# Altium PCB PCB_Right.PcbDoc (part 2 of 2) (continued)
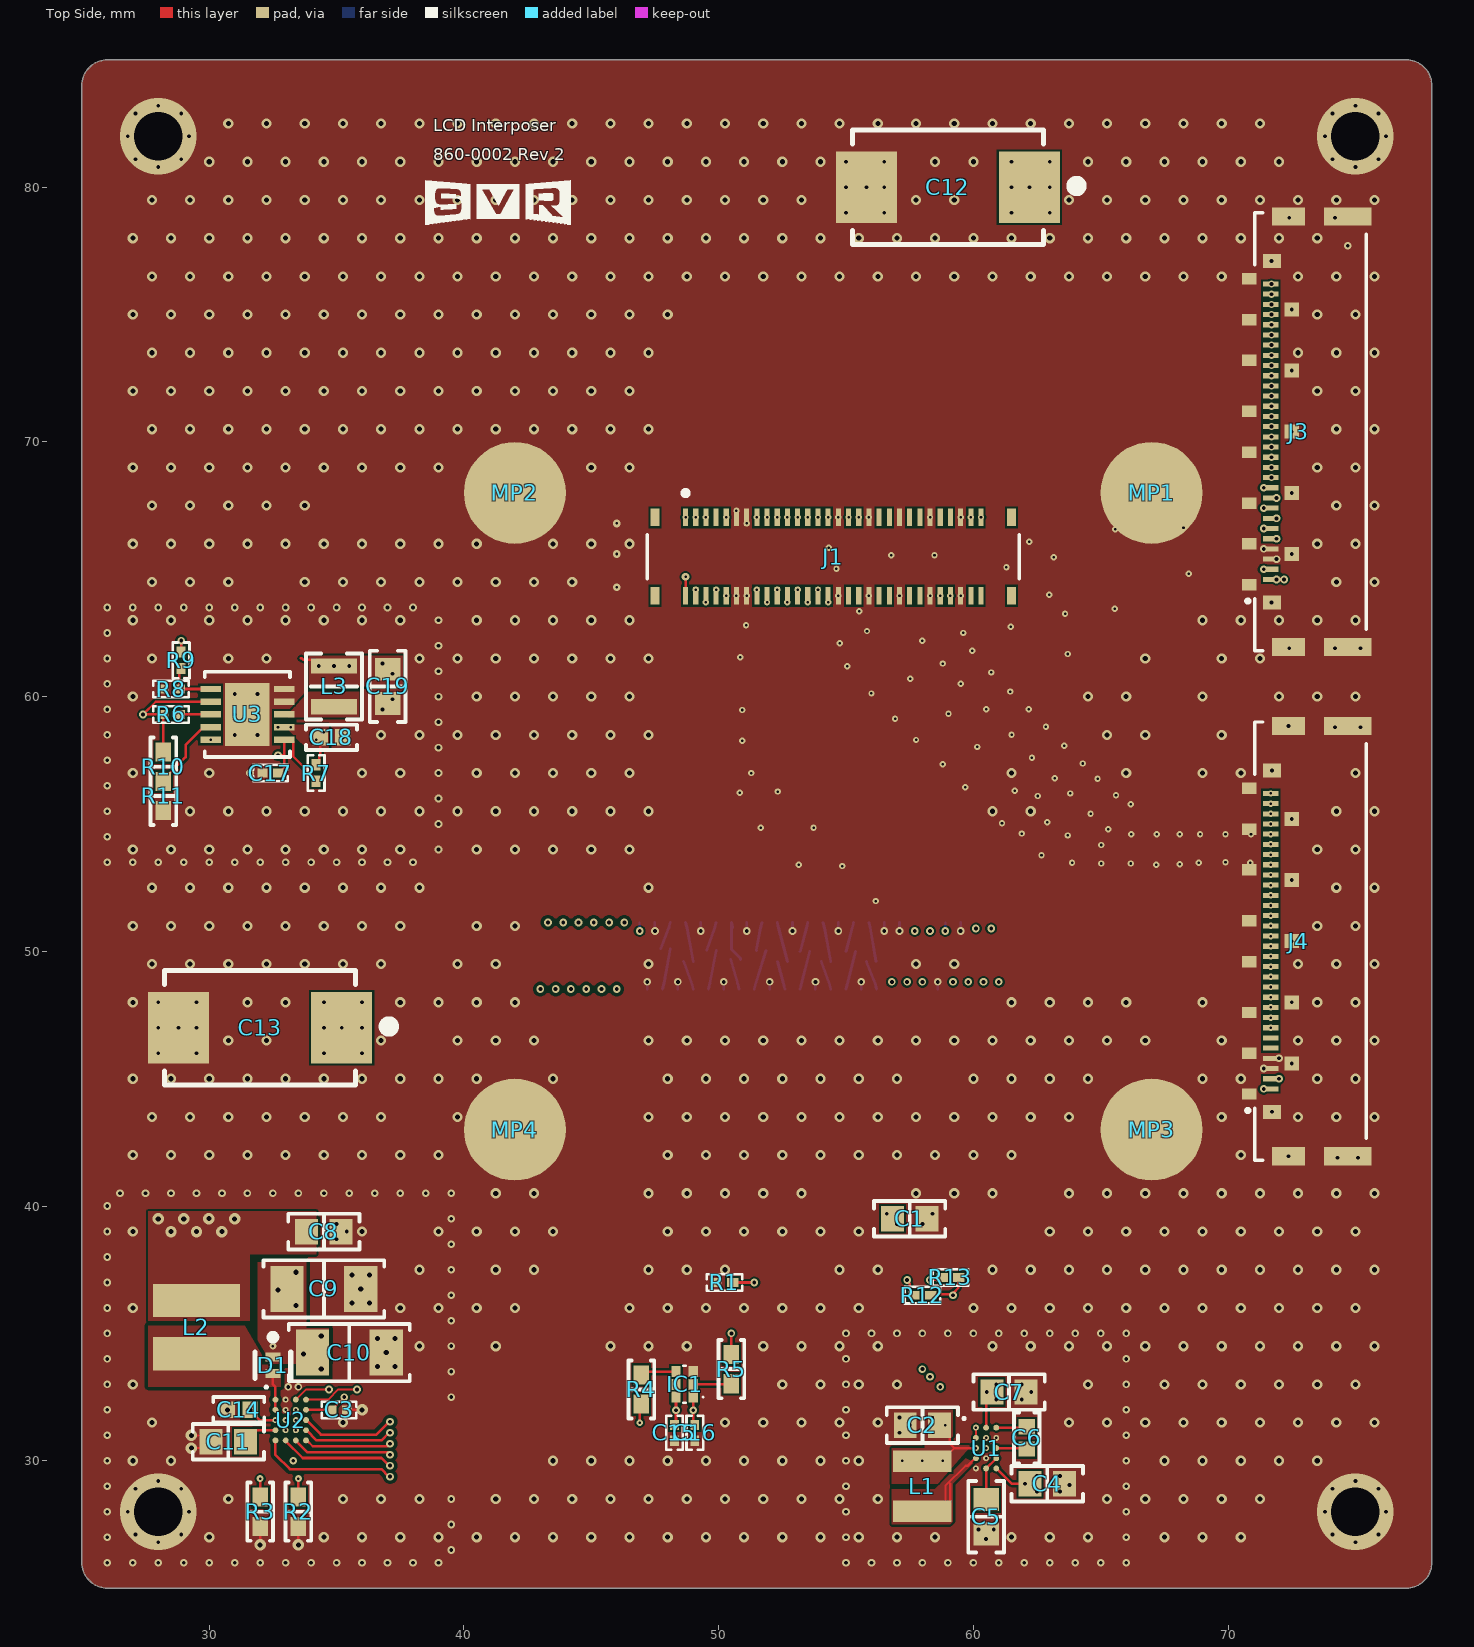
[diagram p0: Top Side view]
## Nets (pads, with @x,y where several pads share a name; then routed paths per layer and width w, separated by ;. In a path a pad name is that pad's centre, name@x,y a point inside that pad or via, vN(x,y) a via of type N, cw(c..) or ccw(c..) an arc to the next point about the centre after c; other vN are vias at no path point) (continued)
  other v1: 30,27 34.5,27 36,27 37.5,27 39,27 40.5,27 42,27 43.5,27 45,27 46.5,27 48,27 49.5,27 51,27 52.5,27 54,27 55.5,27 57,27 58.5,27 61.5,27 63,27 64.5,27 67.5,27 69,27 70.5,27 30.75,28.5 35.25,28.5 36.75,28.5 38.25,28.5 41.25,28.5 42.75,28.5 44.25,28.5 45.75,28.5 47.25,28.5 48.75,28.5 50.25,28.5 51.75,28.5 53.25,28.5 54.75,28.5 56.25,28.5 65.25,28.5 66.75,28.5 68.25,28.5 69.75,28.5 71.25,28.5 27,30 28.5,30 43.5,30 45,30 46.5,30 48,30 49.5,30 51,30 52.5,30 54,30 55.5,30 67.5,30 69,30 70.5,30 72,30 73.5,30 27.75,31.5 35.25,31.5 50.25,31.5 51.75,31.5 53.25,31.5 54.75,31.5 56.25,31.5 63.75,31.5 65.25,31.5 66.75,31.5 68.25,31.5 69.75,31.5 71.25,31.5 72.75,31.5 74.25,31.5 75.75,31.5 27,33 52.5,33 54,33 55.5,33 57,33 64.5,33 67.5,33 69,33 70.5,33 72,33 73.5,33 75,33 38.25,34.5 41.25,34.5 45.75,34.5 47.25,34.5 48.75,34.5 51.75,34.5 53.25,34.5 54.75,34.5 56.25,34.5 60.75,34.5 62.25,34.5 63.75,34.5 65.25,34.5 66.75,34.5 68.25,34.5 69.75,34.5 71.25,34.5 72.75,34.5 74.25,34.5 75.75,34.5 27,36 37.5,36 39,36 40.5,36 42,36 46.5,36 48,36 49.5,36 51,36 52.5,36 54,36 55.5,36 60,36 61.5,36 63,36 64.5,36 66,36 67.5,36 69,36 70.5,36 72,36 73.5,36 75,36 38.25,37.5 41.25,37.5 42.75,37.5 47.25,37.5 48.75,37.5 50.25,37.5 54.75,37.5 56.25,37.5 60.75,37.5 62.25,37.5 63.75,37.5 65.25,37.5 66.75,37.5 68.25,37.5 69.75,37.5 71.25,37.5 72.75,37.5 74.25,37.5 75.75,37.5 27,39 36,39 39,39 40.5,39 42,39 43.5,39 48,39 49.5,39 51,39 52.5,39 54,39 55.5,39 63,39 64.5,39 66,39 67.5,39 69,39 70.5,39 72,39 73.5,39 75,39 41.25,40.5 42.75,40.5 47.25,40.5 48.75,40.5 50.25,40.5 51.75,40.5 53.25,40.5 57.75,40.5 59.25,40.5 60.75,40.5 63.75,40.5 65.25,40.5 66.75,40.5 68.25,40.5 69.75,40.5 71.25,40.5 72.75,40.5 74.25,40.5 75.75,40.5 27,42 28.5,42 30,42 31.5,42 33,42 34.5,42 36,42 37.5,42 39,42 48,42 49.5,42 51,42 52.5,42 54,42 55.5,42 57,42 58.5,42 60,42 61.5,42 70.5,42 27.75,43.5 29.25,43.5 30.75,43.5 32.25,43.5 33.75,43.5 35.25,43.5 36.75,43.5 39.75,43.5 47.25,43.5 48.75,43.5 50.25,43.5 51.75,43.5 53.25,43.5 54.75,43.5 56.25,43.5 57.75,43.5 59.25,43.5 60.75,43.5 62.25,43.5 63.75,43.5 69.75,43.5 72.75,43.5 74.25,43.5 75.75,43.5 27,45 28.5,45 30,45 31.5,45 33,45 34.5,45 36,45 37.5,45 39,45 40.5,45 43.5,45 48,45 49.5,45 51,45 52.5,45 54,45 55.5,45 57,45 60,45 61.5,45 63,45 64.5,45 69,45 70.5,45 73.5,45 75,45 30.75,46.5 32.25,46.5 36.75,46.5 39.75,46.5 41.25,46.5 42.75,46.5 47.25,46.5 48.75,46.5 50.25,46.5 51.75,46.5 53.25,46.5 54.75,46.5 56.25,46.5 57.75,46.5 59.25,46.5 60.75,46.5 62.25,46.5 63.75,46.5 65.25,46.5 66.75,46.5 69.75,46.5 72.75,46.5 74.25,46.5 75.75,46.5 27,48 31.5,48 33,48 37.5,48 39,48 40.5,48 42,48 61.5,48 63,48 64.5,48 66,48 69,48 73.5,48 75,48 27.75,49.5 29.25,49.5 30.75,49.5 32.25,49.5 33.75,49.5 35.25,49.5 36.75,49.5 39.75,49.5 41.25,49.5 47.25,49.5 57.75,49.5 59.25,49.5 72.75,49.5 74.25,49.5 75.75,49.5 27,51 28.5,51 30,51 31.5,51 33,51 34.5,51 36,51 37.5,51 40.5,51 42,51 73.5,51 75,51 27.75,52.5 29.25,52.5 30.75,52.5 32.25,52.5 33.75,52.5 35.25,52.5 36.75,52.5 38.25,52.5 47.25,52.5 74.25,52.5 75.75,52.5 27,54 28.5,54 30,54 31.5,54 33,54 34.5,54 36,54 37.5,54 40.5,54 42,54 43.5,54 45,54 46.5,54 73.5,54 75,54 29.25,55.5 30.75,55.5 32.25,55.5 33.75,55.5 35.25,55.5 36.75,55.5 38.25,55.5 39.75,55.5 41.25,55.5 42.75,55.5 44.25,55.5 45.75,55.5 47.25,55.5 60.75,55.5 62.25,55.5 74.25,55.5 75.75,55.5 27,57 30,57 36,57 37.5,57 40.5,57 42,57 43.5,57 45,57 46.5,57 61.5,57 66,57 69,57 70.5,57 75,57 36.75,58.5 38.25,58.5 39.75,58.5 41.25,58.5 42.75,58.5 44.25,58.5 45.75,58.5 47.25,58.5 65.25,58.5 66.75,58.5 69.75,58.5 27,60 40.5,60 42,60 43.5,60 45,60 46.5,60 64.5,60 66,60 69,60 72,60 73.5,60 75,60 27.75,61.5 30.75,61.5 32.25,61.5 38.25,61.5 39.75,61.5 41.25,61.5 42.75,61.5 44.25,61.5 45.75,61.5 47.25,61.5 66.75,61.5 69.75,61.5 71.25,61.5 27,63 28.5,63 30,63 31.5,63 33,63 34.5,63 36,63 37.5,63 40.5,63 42,63 43.5,63 45,63 46.5,63 69,63 70.5,63 72,63 73.5,63 75,63 27.75,64.5 29.25,64.5 30.75,64.5 33.75,64.5 35.25,64.5 36.75,64.5 38.25,64.5 39.75,64.5 41.25,64.5 42.75,64.5 44.25,64.5 74.25,64.5 75.75,64.5 27,66 28.5,66 30,66 31.5,66 33,66 34.5,66 36,66 37.5,66 39,66 40.5,66 43.5,66 45,66 46.5,66 73.5,66 75,66 27.75,67.5 29.25,67.5 30.75,67.5 32.25,67.5 33.75,67.5 74.25,67.5 75.75,67.5 27,69 28.5,69 30,69 31.5,69 33,69 34.5,69 36,69 37.5,69 39,69 45,69 46.5,69 73.5,69 75,69 27.75,70.5 29.25,70.5 30.75,70.5 32.25,70.5 33.75,70.5 35.25,70.5 36.75,70.5 38.25,70.5 39.75,70.5 41.25,70.5 42.75,70.5 44.25,70.5 45.75,70.5 47.25,70.5 74.25,70.5 75.75,70.5 27,72 28.5,72 30,72 31.5,72 33,72 34.5,72 36,72 37.5,72 39,72 40.5,72 42,72 43.5,72 45,72 46.5,72 73.5,72 75,72 27.75,73.5 29.25,73.5 30.75,73.5 32.25,73.5 33.75,73.5 35.25,73.5 36.75,73.5 38.25,73.5 39.75,73.5 41.25,73.5 42.75,73.5 44.25,73.5 45.75,73.5 47.25,73.5 72.75,73.5 74.25,73.5 75.75,73.5 27,75 28.5,75 30,75 31.5,75 33,75 34.5,75 36,75 37.5,75 39,75 40.5,75 42,75 43.5,75 45,75 46.5,75 48,75 73.5,75 75,75 27.75,76.5 29.25,76.5 30.75,76.5 32.25,76.5 33.75,76.5 35.25,76.5 36.75,76.5 38.25,76.5 39.75,76.5 41.25,76.5 42.75,76.5 44.25,76.5 45.75,76.5 47.25,76.5 48.75,76.5 50.25,76.5 51.75,76.5 53.25,76.5 54.75,76.5 56.25,76.5 57.75,76.5 59.25,76.5 60.75,76.5 62.25,76.5 63.75,76.5 65.25,76.5 66.75,76.5 68.25,76.5 69.75,76.5 72.75,76.5 74.25,76.5 75.75,76.5 27,78 28.5,78 30,78 31.5,78 33,78 34.5,78 36,78 37.5,78 39,78 40.5,78 42,78 43.5,78 45,78 46.5,78 48,78 49.5,78 51,78 52.5,78 54,78 55.5,78 57,78 58.5,78 60,78 61.5,78 63,78 64.5,78 66,78 67.5,78 69,78 70.5,78 72,78 73.5,78 27.75,79.5 29.25,79.5 30.75,79.5 32.25,79.5 33.75,79.5 35.25,79.5 36.75,79.5 38.25,79.5 39.75,79.5 41.25,79.5 42.75,79.5 44.25,79.5 45.75,79.5 47.25,79.5 48.75,79.5 50.25,79.5 51.75,79.5 53.25,79.5 57.75,79.5 59.25,79.5 63.75,79.5 65.25,79.5 66.75,79.5 68.25,79.5 69.75,79.5 71.25,79.5 72.75,79.5 74.25,79.5 75.75,79.5 30,81 31.5,81 33,81 34.5,81 36,81 37.5,81 39,81 40.5,81 42,81 43.5,81 45,81 46.5,81 48,81 49.5,81 51,81 52.5,81 54,81 58.5,81 60,81 64.5,81 66,81 67.5,81 69,81 70.5,81 72,81 30.75,82.5 32.25,82.5 33.75,82.5 35.25,82.5 36.75,82.5 38.25,82.5 39.75,82.5 41.25,82.5 42.75,82.5 44.25,82.5 45.75,82.5 47.25,82.5 48.75,82.5 50.25,82.5 51.75,82.5 53.25,82.5 54.75,82.5 56.25,82.5 57.75,82.5 59.25,82.5 60.75,82.5 62.25,82.5 63.75,82.5 65.25,82.5 66.75,82.5 68.25,82.5 69.75,82.5 71.25,82.5
  other v2: 26,26 27,26 28,26 29,26 30,26 31,26 32,26 33,26 34,26 35,26 36,26 37,26 38,26 39,26 55,26 56,26 57,26 58,26 59,26 60,26 61,26 62,26 63,26 64,26 65,26 66,26 39.5,26.5 28,26.8 75,26.8 60.5,26.925 26,27 55,27 66,27 27.1,27.1 28.9,27.1 74.1,27.1 75.9,27.1 60.2,27.3 60.8,27.3 39.5,27.5 26,28 26.8,28 29.2,28 55,28 66,28 73.8,28 76.2,28 39.5,28.5 63.4,28.8 27.1,28.9 28.9,28.9 74.1,28.9 75.9,28.9 26,29 55,29 66,29 63.775,29.052 28,29.2 75,29.2 63.4,29.4 26,30 55,30 66,30 26,31 55,31 66,31 57.1,31.1 57.5,31.4 57.1,31.7 26,32 55,32 66,32 61.9,32.4 39.5,32.5 62.275,32.7 26,33 55,33 61.9,33 66,33 39.5,33.5 26,34 55,34 66,34 39.5,34.5 26,35 55,35 56,35 57,35 58,35 59,35 60,35 61,35 62,35 63,35 64,35 65,35 66,35 39.5,35.5 26,36 39.5,36.5 26,37 39.5,37.5 26,38 39.5,38.5 35,38.7 26,39 35.4,39 35,39.3 58,39.3 39.5,39.5 58.4,39.7 26,40 26.5,40.5 27.5,40.5 28.5,40.5 29.5,40.5 30.5,40.5 31.5,40.5 32.5,40.5 33.5,40.5 34.5,40.5 35.5,40.5 36.5,40.5 37.5,40.5 38.5,40.5 39.5,40.5 74.3,41.9 75.1,41.9 72.375,41.955 71.725,43.7 71.4,45.4 72.5,45.6 72,45.8 28,46 29.5,46 28,47 28.8,47 29.5,47 28,48 29.5,48 72.5,48 72.5,50.4 72.5,52.8 26,53.5 27,53.5 28,53.5 29,53.5 30,53.5 31,53.5 32,53.5 33,53.5 34,53.5 35,53.5 36,53.5 37,53.5 38,53.5 39,54 26,54.5 39,55 72.5,55.2 26,55.5 39,56 26,56.5 31.6,57 39,57 71.725,57.1 26,57.5 39,58 35.24,58.4 26,58.5 31,58.5 31.9,58.5 74.2,58.8 75.2,58.8 72.375,58.845 39,59 31,59.3 31.9,59.3 26,59.5 36.8,59.5 37.2,59.9 39,60 31,60.1 31.9,60.1 26,60.5 39,61 26,61.5 72.4,61.9 74.2,61.9 75.2,61.9 39,62 26,62.5 39,63 26,63.5 27,63.5 28,63.5 29,63.5 30,63.5 31,63.5 32,63.5 33,63.5 34,63.5 35,63.5 36,63.5 37,63.5 38,63.5 71.7,63.7 71.9,65.4 72.5,65.6 71.4,65.8 72.5,68 72.5,70.4 72.5,72.8 72.5,75.2 71.7,77.1 74.7,77.7 72.4,78.8 74.2,78.8 55,79 56.5,79 55,80 55.8,80 56.5,80 28,80.8 75,80.8 55,81 56.5,81 27.1,81.1 28.9,81.1 74.1,81.1 75.9,81.1 26.8,82 29.2,82 73.8,82 76.2,82 27.1,82.9 28.9,82.9 74.1,82.9 75.9,82.9 28,83.2 75,83.2
  other v3: 56.175,51.975 54.85,53.35 53.15,53.4 67.175,53.4 68.1,53.425 65.025,53.45 66.175,53.45 63.875,53.475 68.85,53.475 70.875,53.475 69.9,53.5 62.675,53.775 65.025,54.175 63.7,54.55 66.2,54.6 67.2,54.6 68.1,54.6 68.9,54.6 69.9,54.6 70.9,54.6 61.9,54.625 65.3,54.8 51.65,54.85 53.725,54.85 61.125,55.025 62.9,55.075 64.6,55.4 66.175,55.775 62.525,56.1 65.6,56.125 63.8,56.2 50.825,56.225 52.325,56.275 61.625,56.3 59.675,56.45 64.875,56.775 63.2,56.8 51.275,57 58.8,57.35 64.3,57.375 62.3,57.6 60.15,58.025 63.575,58.075 50.925,58.275 57.75,58.3 61.5,58.5 62.85,58.825 56.925,59.125 59.025,59.325 50.925,59.475 60.5,59.5 62.175,59.5 56,60.125 61.45,60.2 59.5,60.5 57.525,60.7 60.7,60.95 55.05,61.2 58.8,61.3 50.85,61.55 63.7,61.675 59.95,61.8 54.75,62.1 58,62.2 59.6,62.5 55.825,62.575 61.475,62.75 51.075,62.8 63.6,63.25 55.525,63.35 65.55,63.45 50.7,63.96 51.1,63.96 54.7,63.96 55.9,63.96 57.1,63.96 58.3,63.96 59.5,63.96 62.975,64 68.45,64.825 54.625,65.025 61.3,65.075 63.15,65.475 56.775,65.55 58.475,65.55 54.325,65.85 62.2,66.075 65.575,66.575 68.25,66.625 51.1,66.8 54.7,67.04 55.9,67.04 58.3,67.04 59.5,67.04 50.7,67.3
  other v4: 36.6,33.7 37.3,33.7 36.95,34.25 36.6,34.8 37.3,34.8 35.6,36.2 36.3,36.2 35.95,36.75 35.6,37.3 36.3,37.3
  other v7: 60.1,29.7 60.5,30.1 60.9,30.9
  other v9: 28,28 75,28 28,82 75,82
  other v10: 46,64.3 46,65.6 46,66.8
INCK: J1.35 J4.25 | length 23.2
  Inner 1 (HS) w0.079: v3(55.5,67.04) 55.5,64.852 ccw(c58.04,64.852) 56.244,63.056 64.356,54.944 ccw(c66.152,56.74) 66.152,54.2 v3(71.675,54.2)
LED1: J2.50 U2.E1 | length 32.6
  Top Side w0.1: U2.E1@32.6,30.8 32.6,30.233 33.163,29.67 36.756,29.67 37.046,29.38 v2(37.1,29.38)
  Inner Layer 4 w0.1: v2(37.1,29.38) 38.978,29.38 ccw(c38.978,34.07) 42.294,30.754 43.576,32.036 ccw(c37.242,38.37) 46.2,38.37 46.2,47.72 46.3,47.82 v2(46.3,51.135)
LED2: J2.51 U2.E2 | length 28.5
  Top Side w0.1: U2.E2@33,30.8 33,30.783 33.673,30.11 36.763,30.11 37.063,29.81 v2(37.1,29.81)
  Inner Layer 4 w0.1: v2(37.1,29.81) 38.978,29.81 ccw(c38.978,34.07) 41.99,31.058 43.272,32.34 ccw(c37.242,38.37) 45.77,38.37 45.77,47.615 46,47.845 v2(46,48.52)
LED3: J2.52 U2.E3 | length 29.9
  Top Side w0.1: U2.E3@33.4,30.8 33.4,30.783 33.843,30.34 37,30.34 v2(37.1,30.24)
  Inner Layer 4 w0.1: v2(37.1,30.24) 38.978,30.24 ccw(c38.978,34.07) 41.686,31.362 42.968,32.644 ccw(c37.242,38.37) 45.34,38.37 45.34,47.72 45.69,48.07 45.69,51.125 v2(45.7,51.135)
LED4: J2.56 U2.E4 | length 28.8
  Top Side w0.1: U2.E4@33.8,30.8 33.835,30.8 34.065,30.57 37,30.57 v2(37.1,30.67)
  Inner Layer 4 w0.1: v2(37.1,30.67) 38.978,30.67 ccw(c38.978,34.07) 41.382,31.666 42.664,32.948 ccw(c37.242,38.37) 44.91,38.37 44.91,47.587 44.5,47.997 v2(44.5,51.135)
LED5: J2.57 U2.D4 | length 25.6
  Top Side w0.1: U2.D4@33.8,31.2 33.817,31.2 34.217,30.8 36.763,30.8 37.063,31.1 v2(37.1,31.1)
  Inner Layer 4 w0.1: v2(37.1,31.1) 38.978,31.1 ccw(c38.978,34.07) 41.078,31.97 42.36,33.252 ccw(c37.242,38.37) 44.48,38.37 44.48,47.691 44.26,47.911 44.26,48.46 v2(44.2,48.52)
LED6: J2.58 U2.C4 | length 27.6
  Top Side w0.1: U2.C4@33.8,31.6 33.817,31.6 34.387,31.03 36.563,31.03 37.063,31.53 v2(37.1,31.53)
  Inner Layer 4 w0.1: v2(37.1,31.53) 38.978,31.53 ccw(c38.978,34.07) 40.774,32.274 42.056,33.556 ccw(c37.242,38.37) 44.05,38.37 44.05,47.72 43.9,47.87 v2(43.9,51.135)
LED+: C9.2 C10.2 D1.1 J2.53 J2.54 J2.55 J2.59 J2.60 J2.61 U2.C2 | length 53.4
  Inner Layer 4 w0.1: v2(43,48.52) 43,52.7 ; v2(43.3,51.135) 43.3,52.7 ; v2(43.6,48.52) 43.6,52.7 ; v2(44.8,48.52) 44.8,52.7 ; v2(45.1,51.135) 45.1,52.7 ; v2(45.4,48.52) 45.4,52.6
  Inner Layer 4 w0.25: v4(34.4,33.6) 34.354,33.6 33.754,34.2 v4(33.7,34.2) v4(34.4,34.9) ; v4@34.4,34.8 v4(34.4,34.9) ; 45.4,52.7 45.1,52.7 44.8,52.7 43.6,52.7 43.3,52.7 43,52.7 40.2,52.7 38,50.5 38,39.38 cw(c37.5,39.38) 37.854,39.026 36.797,37.97 35.591,37.97 35.021,37.4 v4(33.4,37.4) v4(32.7,36.7) 32.75,36.7 33.35,36.1 v4(33.4,36.1) 34.4,35.1 v4(34.4,34.9)
  Inner 1 (HS) w0.1: v8(32.5,34.5) 32.5,32.051 32.868,31.682 32.87,31.682 32.953,31.6 v7(33,31.6)
LEDPWM: J2.10 R5.2 | length 19.9
  Top Side w0.1: R5.2@50.5,34.175 v2(50.5,35)
  Inner Layer 3 w0.1: v2(50.5,35) 58.3,42.8 v2(58.3,50.8)
NetC5_2: C5.2 U1.D3 U1.E2 | length 1.9
  Top Side w0.1: C5.2@60.5,28.375 U1.E2@60.5,29.7 U1.D3@60.9,30.1
NetC6_1: C6.1 U1.A3 | length 1.2
  Top Side w0.1: U1.A3@60.9,31.3 62.06,31.3 C6.1@62.1,31.34
NetC6_2: C6.2 U1.C3 | length 1.2
  Top Side w0.1: U1.C3@60.9,30.5 62.06,30.5 C6.2@62.1,30.46
NetC11_2: C11.2 U2.D1 | length 1
  Top Side w0.1: C11.2@31.6,31.1 31.7,31.2 U2.D1@32.6,31.2
NetC17_2: C17.2 R6.1 R7.2 R10.1 U3.1 U3.7 | length 15.2
  Top Side w0.1: R10.1@28.2,57.825 28.2,59.2 28.1,59.3 v2(27.4,59.3) 27.9,59.8 U3.7@30.1,59.8 ; v2(32.7,57.7) 32.9,57.7 ; C17.2@32.71,57 32.735,57 32.945,57.21 32.945,58.045 ; U3.1@32.945,58.3 32.945,58.045 ; R7.2@34.2,56.675 34.075,56.8 34.075,56.878 33.299,57.654 33.299,58.223 33.252,58.27 32.993,58.27 32.945,58.223 32.945,58.045
  Inner Layer 3 w0.1: v2(27.4,59.3) 29,57.7 v2(32.7,57.7)
NetD1_2: D1.2 L2.2 U2.A1 U2.B1 | length 1.4
  Top Side w0.1: D1.2@32.5,33.4 32.5,33 32.6,32.9 U2.B1@32.6,32
NetIC1_2: IC1.2 R5.1 | length 1.5
  Top Side w0.1: IC1.2@49,33 50.475,33 R5.1@50.5,33.025
NetL1_2: L1.2 U1.D1 | length 4.5
  Top Side w0.075: L1.2@58.6,28.3 58.788,28.3 58.9,28.413 58.9,29.012 59.694,29.806
  Top Side w0.1: L1.2@58,28.025 58.725,28.025 59.1,28.4 59.1,29.1 ; 59.7,29.8 59.765,29.8 60.065,30.1 U1.D1@60.1,30.1
NetL3_2: L3.2 U3.3
NetR2_1: R2.1 U2.C3 | length 3.2
  Top Side w0.1: R2.1@33.5,28.575 v8(33.5,29.3)
  Inner 1 (HS) w0.1: v7(33.4,31.6) 33.4,31.571 33.663,31.309 33.663,29.563 33.5,29.4 v8(33.5,29.3)
NetR3_1: R3.1 U2.D2 | length 3
  Top Side w0.1: R3.1@32,28.575 v8(32,29.3)
  Inner 1 (HS) w0.1: v8(32,29.3) 33,30.3 v7(33,31.2)
NetR4_1: R4.1 U2.B3 | length 14.9
  Top Side w0.1: v3(46.9,31.5) 46.9,32.162 R4.1@46.963,32.225
  Inner 1 (HS) w0.1: v7(33.4,32) 34.621,32 34.771,32.15 35.655,32.15 35.855,32.35 38.279,32.35 39.329,31.3 46.659,31.3 46.859,31.5 v3(46.9,31.5)
NetR6_2: R6.2 U3.8 | length 1.2
  Top Side w0.1: R6.2@28.825,59.3 U3.8@30.055,59.3
NetR8_2: R8.2 R9.2 U3.6 | length 2.1
  Top Side w0.1: R9.2@29,61.1 28.995,61.1 28.825,60.93 R8.2@28.825,60.3 U3.6@30.055,60.3
NetR10_2: R10.2 R11.1 U3.9 | length 3
  Top Side w0.1: R11.1@28.3,56.7 28.3,56.85 29.075,57.625 29.075,58.097 29.778,58.8 U3.9@30.055,58.8
OMODE: J1.29 J4.26 | length 28.5
  Inner 1 (HS) w0.1: v3(54.3,67.04) 55.6,68.34 55.6,68.383 61.817,68.383 73.6,56.6 73.6,54.9 73.3,54.6 v3(71.675,54.6)
PNSLV: J2.13 R1.2 | length 15.1
  Top Side w0.1: R1.2@50.55,37 v2(51.4,37)
  Inner Layer 3 w0.1: v2(51.4,37) 51.4,37.1 57.4,43.1 v2(57.4,48.8)
PWM: IC1.4 R4.2 | length 1.4
  Top Side w0.1: R4.2@46.963,33.375 47.088,33.5 IC1.4@48.326,33.5
RST: J2.15 J3.10 | length 26.7
  Inner Layer 3 w0.1: v2(56.8,48.8) 56.8,55.7 69.3,68.2 v2(71.4,68.2)
SLAMODE0: J1.20 J4.13 | length 28.8
  Inner 1 (HS) w0.075: v3(52.3,64.2) 52.3,59.011 59.698,51.613 60.359,51.613 60.963,51.009 60.963,50.624 61.236,50.35 70.725,50.35 v3(71.675,49.4)
SLAMODE1: J1.25 J4.20 | length 28.1
  Inner 1 (HS) w0.075: v3(53.5,67.04) 53.5,64.036 53.738,63.798 53.738,60.296 60.496,53.538 61.156,53.538 62.419,52.275 71.553,52.275 71.628,52.2 v3(71.675,52.2)
SLAMODE2: J1.27 J4.22 | length 27.4
  Inner 1 (HS) w0.075: v3(53.9,67.04) 53.9,64.536 54.138,64.298 54.138,64.102 54.05,64.014 54.05,60.761 60.724,54.088 61.384,54.088 62.646,52.825 71.5,52.825 v3(71.675,53)
TE1: J2.12 J3.8 | length 23.5
  Inner Layer 3 w0.1: v2(57.7,50.8) 57.7,55.8 69.3,67.4 v2(71.4,67.4)
TE2: J2.11 J3.9 | length 25.9
  Inner Layer 3 w0.1: v2(58,48.8) 58,48.854 58.125,48.979 58.125,50.586 58.025,50.686 58.025,50.914 58.2,51.089 58.2,55.6 69.725,67.125 71.514,67.125 71.675,67.286 71.675,67.575 v2(71.9,67.8)
TOUT0: J1.19 J4.14 | length 31.1
  Inner 1 (HS) w0.075: v3(52.3,67.04) 52.3,64.536 52.538,64.298 52.538,64.102 52.45,64.014 52.45,59.25 59.812,51.888 60.473,51.888 61.735,50.625 70.85,50.625 v3(71.675,49.8)
TOUT1: J1.21 J4.16 | length 30
  Inner 1 (HS) w0.075: v3(52.7,67.04) 52.7,64.036 52.938,63.798 52.938,59.54 60.04,52.438 60.7,52.438 61.963,51.175 71.1,51.175 v3(71.675,50.6)
TOUT2: J1.23 J4.18 | length 29.2
  Inner 1 (HS) w0.075: v3(53.1,67.04) 53.1,64.536 53.338,64.298 53.338,64.102 53.25,64.014 53.25,60.005 60.268,52.988 60.928,52.988 62.191,51.725 71.35,51.725 v3(71.675,51.4)
VSN: C7.2 J2.1 J2.2 U1.A2 | length 1.7
  Top Side w0.1: U1.A2@60.5,31.3 60.5,32.475 C7.2@60.725,32.7 60.8,32.625 C7.2@60.8,32.5
  other v2: 60.9,32.4 60.525,32.7 60.9,33 61,48.8 60.7,50.9
VSP: C4.2 J2.7 J2.8 U1.E3 | length 1.9
  Top Side w0.1: U1.E3@60.9,29.7 61.5,29.1 C4.2@62.225,29.1
  Bottom Side w0.075: v2(58.9,50.8) J2.8@58.9,51.135
  other v2: 62.5,28.8 62.025,29.1 62.5,29.4 59.2,48.8
XCE: J1.18 J4.11 | length 29.3
  Inner 1 (HS) w0.075: v3(51.9,63.7) 51.9,58.633 59.471,51.063 59.609,51.063 59.763,50.909 59.763,50.477 60.44,49.8 70.475,49.8 v3(71.675,48.6)
XCLR: J1.33 J4.24 | length 25.1
  Inner 1 (HS) w0.075: v3(55.1,67.04) 55.1,61.9 63.2,53.8 v3(71.675,53.8)
XHS: J1.28 J4.21 | length 24.8
  Inner 1 (HS) w0.075: v3(53.9,64.2) 53.9,60.522 60.61,53.813 61.27,53.813 62.533,52.55 71.625,52.55 v3(71.675,52.6)
XMASTER: J1.22 J4.15 | length 27.1
  Inner 1 (HS) w0.075: v3(52.7,63.7) 52.7,59.389 59.926,52.163 60.587,52.163 61.849,50.9 70.975,50.9 v3(71.675,50.2)
XTRIG1: J1.26 J4.19 | length 25.2
  Inner 1 (HS) w0.075: v3(53.5,63.7) 53.5,60.144 60.382,53.263 61.042,53.263 62.305,52 71.287,52 71.454,51.833 71.642,51.833 v3(71.675,51.8)
XTRIG2: J1.24 J4.17 | length 26.6
  Inner 1 (HS) w0.075: v3(53.1,64.2) 53.1,59.767 60.154,52.713 60.814,52.713 62.077,51.45 71.225,51.45 v3(71.675,51)
XVS: J1.30 J4.23 | length 23.5
  Inner 1 (HS) w0.075: v3(54.3,63.7) 54.3,60.9 60.7,54.5 61.4,54.5 62.8,53.1 71.375,53.1 v3(71.675,53.4)
pads on no net: IC1.5 J1.7 J1.S1 J1.S2 J1.S3 J1.S4 J2.49 J4.5 J4.6

## Polygon pours and split planes (outlines as drawn)
GND on Top Side "GND_L01_P029" (solid, remove dead copper, pour order 29): 25,26 25,84 cw(c26,84) 26,85 77,85 cw(c77,84) 78,84 78,26 cw(c77,26) 77,25 26,25 cw(c26,26)
+5 on Top Side "+5_L01_P008" (solid, pour order 8): 33.1,58.7 33.8,58 34.7,58 34.7,58.9 33.3,58.9
+5 on Top Side "+5_L01_P005" (solid, pour order 5): 27.6,35.5 31.6,35.5 31.6,38.1 34.2,38.1 34.2,38.2 34.2,38.9 34.2,39.8 27.6,39.8
NetD1_2 on Top Side "NETD1_2_L01_P001" (solid, remove dead copper, pour order 1): 32.8,32.9 32.8,33.6 32.4,33.6 31.4,35.3 27.6,35.3 27.6,32.9
+1.1 on Top Side "+1.1_L01_P018" (solid, pour order 18): 33.9,60.4 37.6,60.4 37.6,61.6 33.9,61.6
NetL1_2 on Top Side "NETL1_2_L01_P007" (solid, pour order 7): 60,29.9 59.2,29.1 59.2,27.6 59.1,27.5 56.8,27.5 56.8,28.875 58.475,28.875 59.7,30.1 59.9,30
LED+ on Top Side "LED+_L01_P002" (solid, pour order 2): 31.9,33.8 34.7,33.8 34.7,35.2 33.8,35.2 33.8,37.8 31.9,37.8
NetL3_2 on Top Side "NETL3_2_L01_P017" (solid, pour order 17): 33,59.2 35.9,59.2 35.9,60.2 33.9,60.2 33.1,59.3
+5 on Top Side "+5_L01_P006" (solid, pour order 6): 56.8,29.1 58.6,29.1 59.925,30.6 59.313,30.6 59.075,30.837 59.2,30.962 59.2,32 58.1,32 58.1,30.5 56.8,30.5
GND on Inner 1 (HS) "GND_L02_P030" (solid, remove dead copper, pour order 30): 25,26 25,84 cw(c26,84) 26,85 77,85 cw(c77,84) 78,84 78,26 cw(c77,26) 77,25 26,25 cw(c26,26)
+5 on Inner 1 (HS) "+5_L02_P010" (solid, pour order 10): 48.6,63 38,63 38,60.5 33.5,60.5 33.5,64.5 49.2,64.5 49.2,68 70,68 70,61 76,61 76,84 26,84 26,26 76,26 76,46 48.6,46
+1.1 on Inner 1 (HS) "+1.1_L02_P021" (solid, pour order 21): 38,60.5 33.5,60.5 33.5,64.5 49.2,64.5 49.2,67.5 49.663,67.5 49.663,63 48.6,63 38,63
GND on Bottom Side "GND_L08_P009" (solid, remove dead copper, pour order 9): 25,26 25,84 cw(c26,84) 26,85 77,85 cw(c77,84) 78,84 78,26 cw(c77,26) 77,25 26,25 cw(c26,26)
GND on Inner Layer 4 "GND_L05_P024" (solid, pour order 24): 25,26 25,84 cw(c26,84) 26,85 77,85 cw(c77,84) 78,84 78,26 cw(c77,26) 77,25 26,25 cw(c26,26)
+1.8 on Inner Layer 4 "+1.8_L05_P015" (solid, pour order 15): 76.5,84 76.5,26 45,26 45,84
VSP on Inner Layer 4 "VSP_L05_P013" (solid, pour order 13): 59.5,51.7 61.3,51.7 61.3,28.4 62.9,28.4 62.9,52.8 58.6,52.8 58.6,48.2 59.5,48.2
VSN on Inner Layer 4 "VSN_L05_P011" (solid, pour order 11): 61.3,32.1 61.3,51.7 60.5,51.7 60.5,32.1
GND on Inner 6 (HS) "GND_L07_P025" (solid, remove dead copper, pour order 25): 25,26 25,84 cw(c26,84) 26,85 77,85 cw(c77,84) 78,84 78,26 cw(c77,26) 77,25 26,25 cw(c26,26)
GND on Inner Layer 3 "GND_L04_P026" (solid, remove dead copper, pour order 26): 25,26 25,84 cw(c26,84) 26,85 77,85 cw(c77,84) 78,84 78,26 cw(c77,26) 77,25 26,25 cw(c26,26)
GND on Inner 5 (GND) (split plane): 77.096,84.482 77.188,84.454 77.273,84.409 77.348,84.348 77.409,84.273 77.454,84.188 77.482,84.096 77.491,84.012 77.49,84 77.49,26 77.491,25.988 77.482,25.904 77.454,25.812 77.409,25.727 77.348,25.652 77.273,25.591 77.188,25.546 77.096,25.518 77.012,25.509 77,25.51 26,25.51 25.988,25.509 25.904,25.518 25.812,25.546 25.727,25.591 25.652,25.652 25.591,25.727 25.546,25.812 25.518,25.904 25.509,25.988 25.51,26 25.51,84 25.509,84.012 25.518,84.096 25.546,84.188 25.591,84.273 25.652,84.348 25.727,84.409 25.812,84.454 25.904,84.482 25.988,84.491 26,84.49 77,84.49 77.012,84.491
GND on Inner 2 (GND) (split plane): 77.096,84.482 77.188,84.454 77.273,84.409 77.348,84.348 77.409,84.273 77.454,84.188 77.482,84.096 77.491,84.012 77.49,84 77.49,26 77.491,25.988 77.482,25.904 77.454,25.812 77.409,25.727 77.348,25.652 77.273,25.591 77.188,25.546 77.096,25.518 77.012,25.509 77,25.51 26,25.51 25.988,25.509 25.904,25.518 25.812,25.546 25.727,25.591 25.652,25.652 25.591,25.727 25.546,25.812 25.518,25.904 25.509,25.988 25.51,26 25.51,84 25.509,84.012 25.518,84.096 25.546,84.188 25.591,84.273 25.652,84.348 25.727,84.409 25.812,84.454 25.904,84.482 25.988,84.491 26,84.49 77,84.49 77.012,84.491

## Other copper
Inner 6 (HS):
  pour cut-out: 48.2,71.6 48.4,71.4 48.4,50.4 55.6,50.4 55.7,50.5 55.7,55.8 65.5,65.6 56.7,74.4 49.9,74.4

## Silkscreen, mask and mechanical layers (free items; w line width, h text height)
Top Overlay:
  drawing of 4 lines, arcs and shapes, not listed
  text "LCD Interposer" at 38.8,82.044 h0.81
  text "860-0002 Rev 2" at 38.8,80.908 h0.81
Top Solder:
  lines w1: 26,26.5 ccw(c26.5,26.5) 26.5,26 39,26 ccw(c39,26.5) 39.5,26.5 39.5,40.001 ccw(c39,40.001) 39,40.501 26.5,40.501 ccw(c26.5,40.001) 26,40.001 26,26.5 ; 26,54 ccw(c26.5,54) 26.5,53.5 38.5,53.5 ccw(c38.5,54) 39,54 39,63 ccw(c38.5,63) 38.5,63.5 26.5,63.5 ccw(c26.5,63) 26,63 26,54 ; 54.999,26.499 ccw(c55.499,26.499) 55.499,25.999 65.5,25.999 ccw(c65.5,26.499) 66,26.499 66,34.5 ccw(c65.5,34.5) 65.5,35 55.499,35 ccw(c55.499,34.5) 54.999,34.5 54.999,26.499
Board Shape:
  the board outline again, w0.1
Dimensions:
  lines w0.1: 28,28 75,28 75,82 28,82 28,28 ; 42,43 67,43 67,68 42,68 42,43
Mechanical 13:
  lines w0.254: 40.5,41.5 68.5,41.5 68.5,69.5 40.5,69.5 40.5,41.5

## Dimensions
54.5,54.5 to 78,26 on Dimensions
54.5,55.5 to 25,26 on Dimensions
28,82 to 75,82 on Dimensions
25,84 to 78,84 on Dimensions
75,28 to 77,25 on Dimensions
75,28 to 78,26 on Dimensions
28,28 to 25,26 on Dimensions
75,82 to 78,84 on Dimensions
28,82 to 25,84 on Dimensions
28,82 to 22.5,85 on Dimensions
28,28 to 26,25 on Dimensions
26,85 to 26,25 on Dimensions
28,28 to 28,82 on Dimensions